# Altium PCB DIOT_SMA16.PcbDoc (part 6 of 6) (continued)
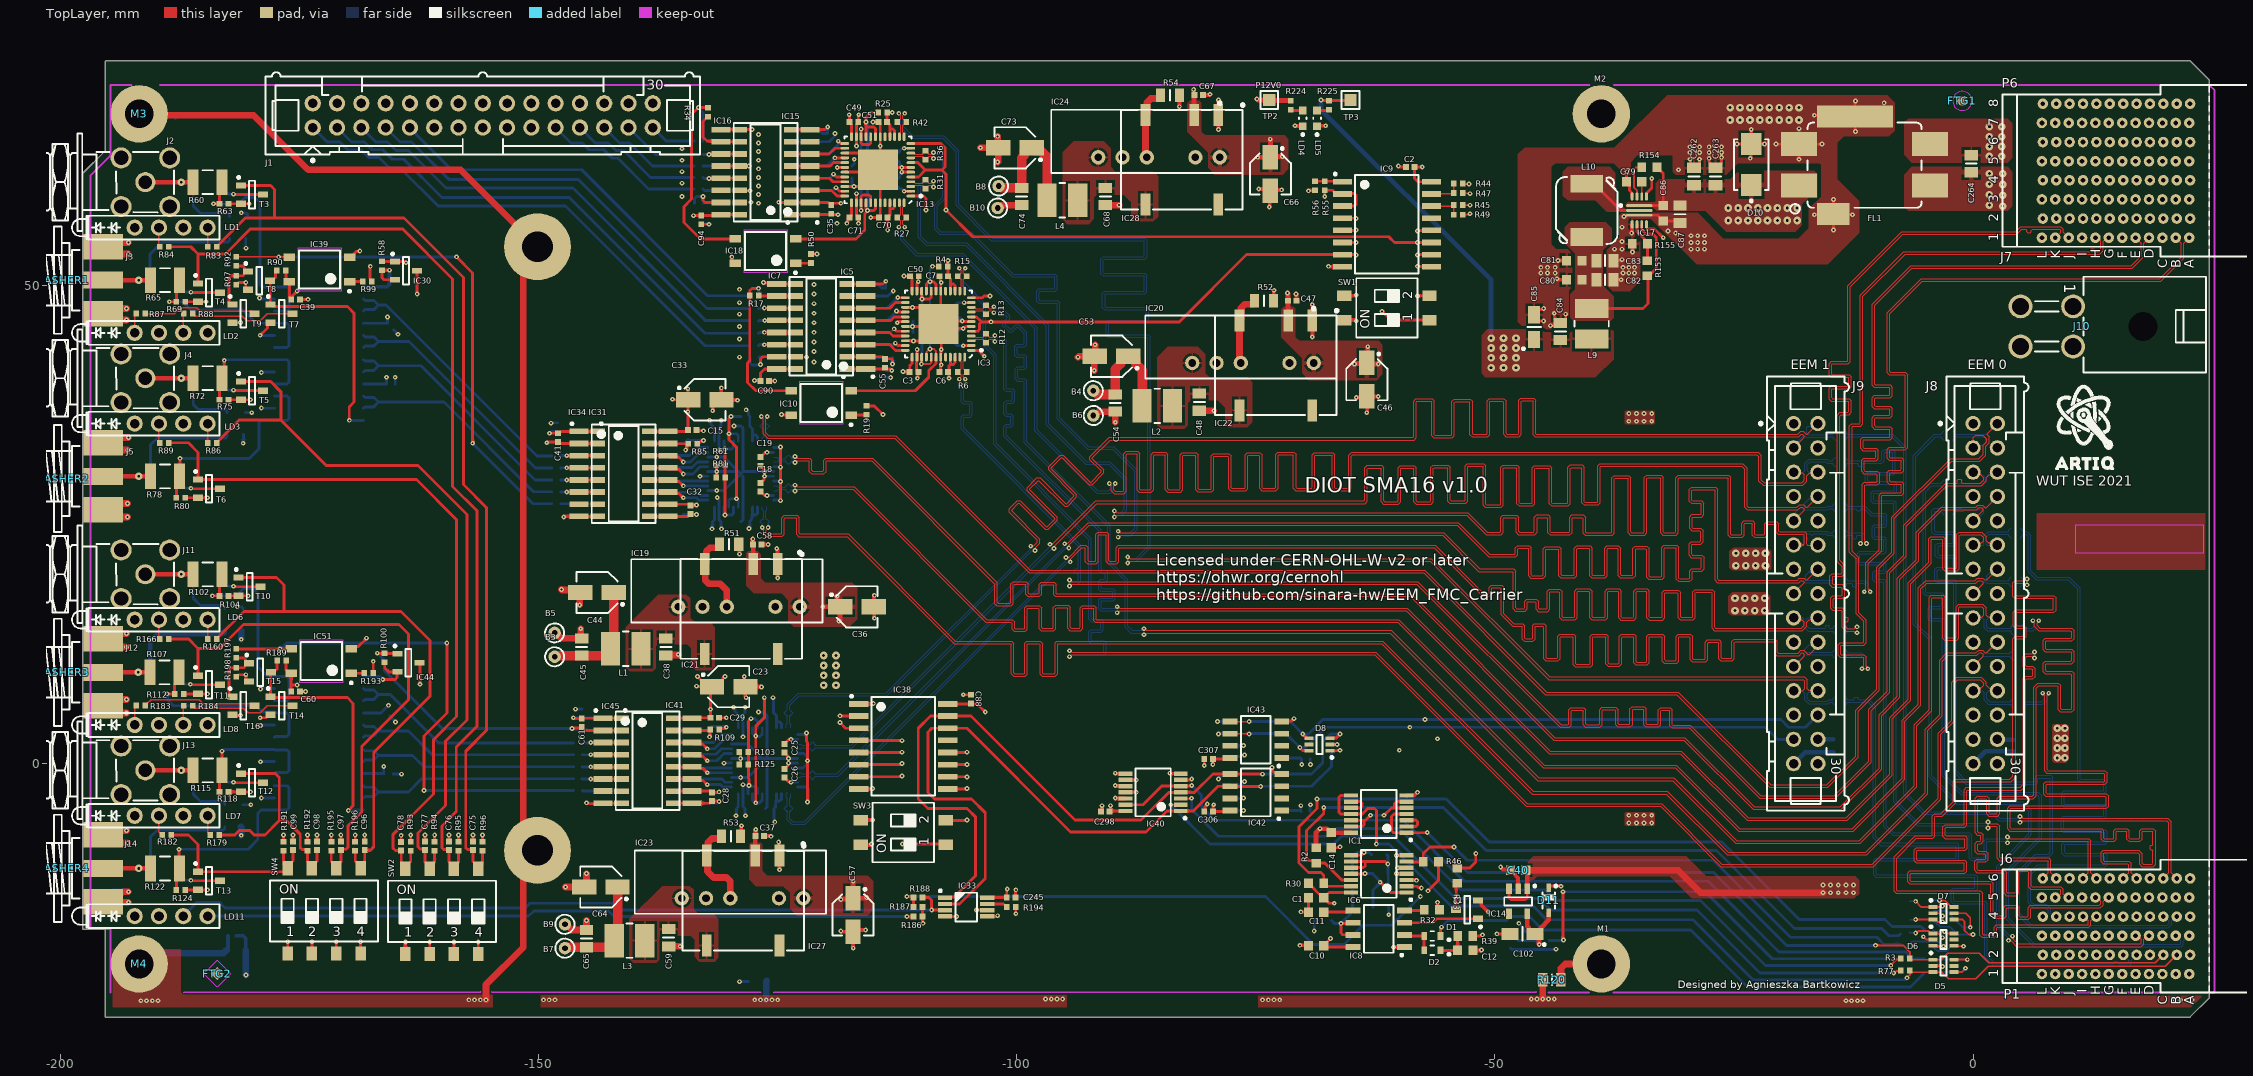
[diagram p0: TopLayer view]
## Nets (pads, with @x,y where several pads share a name; then routed paths per layer and width w, separated by ;. In a path a pad name is that pad's centre, name@x,y a point inside that pad or via, vN(x,y) a via of type N, cw(c..) or ccw(c..) an arc to the next point about the centre after c; other vN are vias at no path point) (continued)
SHARED_BUS_0: R137.1
SHARED_BUS_1: R139.1
SHARED_BUS_2: R135.1
SHARED_BUS_3: R132.1
SHARED_BUS_4: R134.1
STRIP1: C212.1 M1.1 M2.1 M3.1 M4.1 pad.MHx pad.MHx1 R120.2 R126.1 | length 431.7
  TopLayer w0.7: M3.1@-191.773,67.95 -191.623,67.8 -179.8,67.8 -174.1,62.1 -158.173,62.1 pad.MHx1@-150.123,54.05 -151.6,52.573 -151.6,-7.598 pad.MHx@-150.123,-9.075 -151.6,-10.552 -151.6,-19.2 -155.5,-23.1 v1(-155.5,-24.7) ; R120.2@-43.1,-22.6 -43.1,-21.4 -42.65,-20.95 M1.1@-38.873,-20.95
  MidLayer2 w0.3: v1(-155.5,-24.7) -154.7,-25.5 -39.5,-25.5 -38.9,-24.9 -38.9,-20.977 M1.1@-38.873,-20.95
  MidLayer2 w0.7: M3.1@-191.773,67.95 -191.773,71.327 -191.3,71.8 -39.3,71.8 -38.873,71.373 M2.1@-38.873,67.95
  Bottom Layer w0.3: M3.1@-191.773,67.95 -191.523,67.7 -188.225,67.7 -187.975,67.45
  Bottom Layer w0.4: R126.1@-182.625,-19.5 -182.5,-19.375 C212.1@-182.5,-18
  Bottom Layer w0.7: M4.1@-191.773,-20.95 -190.656,-19.833 -182.958,-19.833 R126.1@-182.625,-19.5
  other v1: -191.6,-24.8 -191,-24.8 -190.4,-24.8 -189.8,-24.8 -157.3,-24.7 -156.7,-24.7 -156.1,-24.7
STRIP2: R119.1 | length 2
  Bottom Layer w0.7: v1(-126.2,-24.7) -126.2,-22.75 R119.1@-126.15,-22.7
  other v1: -149.5,-24.7 -148.9,-24.7 -148.3,-24.7 -127.4,-24.7 -126.8,-24.7 -125.6,-24.7 -125,-24.7 -97,-24.6 -96.4,-24.6 -95.8,-24.6 -95.2,-24.6
STRIP3: R120.1 | length 2
  TopLayer w0.7: v1(-45,-24.6) R120.1@-45,-22.6
  other v1: -13.3,-24.8 -12.7,-24.8 -12.1,-24.8 -11.5,-24.8 -74.3,-24.7 -73.7,-24.7 -73.1,-24.7 -72.5,-24.7 21.1,-24.7 21.7,-24.7 22.3,-24.7 22.9,-24.7 -46.2,-24.6 -45.6,-24.6 -44.4,-24.6 -43.8,-24.6
Switch_I2C.SCL: IC40.2 R77.2 | length 85.5
  TopLayer w0.15: v1(-83.9,-4.3) IC40.2@-82.85,-4.3
  TopLayer w0.2: v1(-8.3,-21.9) -8.237,-21.9 -8.037,-21.7 -7.59,-21.7 R77.2@-7.54,-21.65
  Bottom Layer w0.3: v1(-83.9,-4.3) -79.8,-8.4 -66.847,-8.4 -66.047,-7.6 -60.6,-7.6 -54.1,-14.1 -45.4,-14.1 -44.2,-15.3 -28.868,-15.3 -22.268,-21.9 v1(-8.3,-21.9)
Switch_I2C.SDA: IC40.3 R3.2 | length 84.2
  TopLayer w0.15: IC40.3@-82.85,-3.65 -81.75,-3.65 v1(-81.718,-3.618)
  TopLayer w0.2: v1(-8.6,-21.1) -7.967,-20.467 -7.607,-20.467 R3.2@-7.54,-20.4
  Bottom Layer w0.3: v1(-81.718,-3.618) -81.7,-3.635 -81.7,-4.8 -78.9,-7.6 -67.3,-7.6 -66.5,-6.8 -60,-6.8 -53.6,-13.2 -44.7,-13.2 -43.6,-14.3 -28.5,-14.3 -21.7,-21.1 v1(-8.6,-21.1)
TERM_IO0: C75.2 R83.1 R96.1 SW2.5 T3.1 | length 103
  TopLayer w0.3: R83.1@-183.683,54.05 -180.683,57.05 -177.623,57.05 ; T3.1@-181.123,60.45 -178.023,60.45 -177.623,60.05 -177.623,57.05 ; R96.1@-155.873,-9.09 -155.873,-10.224 -155.913,-10.264 -155.913,-10.6 SW2.5@-156.313,-11 -156.313,-10.8 -156.873,-10.24 C75.2@-156.873,-9.05 -156.932,-8.991 -157.447,-8.991 -157.623,-8.815 -157.623,1.3 -155.439,3.484 -155.439,26.756 -157.875,29.192 -157.875,50.845 -164.08,57.05 -177.623,57.05
TERM_IO1: C76.2 R84.1 R95.1 SW2.6 T4.1 | length 103.3
  TopLayer w0.3: R84.1@-188.683,54.05 -186.373,54.05 -185.623,53.3 ; T4.1@-185.623,50.2 -185.623,53.3 ; SW2.6@-158.853,-11 SW2.6@-158.853,-10.8 ; R95.1@-158.373,-9.09 -158.373,-10.32 SW2.6@-158.853,-10.8 ; -185.623,53.3 -182.748,53.3 -180.123,55.925 -164.248,55.925 -158.998,50.675 -158.998,28.993 -156.457,26.452 -156.457,3.905 -158.621,1.741 -158.621,-5.015 -160.123,-6.517 -160.123,-8.815 -159.947,-8.991 -159.432,-8.991 C76.2@-159.373,-9.05 -159.373,-10.28 SW2.6@-158.853,-10.8
TERM_IO2: C77.2 R86.1 R94.1 SW2.7 T5.1 | length 80.7
  TopLayer w0.3: R86.1@-183.683,33.55 -181.308,35.925 -176.961,35.925 ; T5.1@-181.123,39.95 -178.023,39.95 -176.961,38.888 -176.961,35.925 ; SW2.7@-161.393,-11 SW2.7@-161.393,-10.8 ; R94.1@-160.873,-9.09 -160.873,-10.28 SW2.7@-161.393,-10.8 ; -176.961,35.925 -172.211,31.175 -162.623,31.175 -157.498,26.05 -157.498,4.575 -159.738,2.335 -159.738,-4.383 -162.623,-7.268 -162.623,-8.7 -162.401,-8.922 -162.001,-8.922 C77.2@-161.873,-9.05 -161.873,-10.32 SW2.7@-161.393,-10.8
TERM_IO3: C78.2 R89.1 R93.1 SW2.8 T6.1 | length 77.4
  TopLayer w0.3: R89.1@-188.683,33.55 -186.623,33.55 -185.623,32.55 T6.1@-185.623,29.7 -162.773,29.7 -158.578,25.505 -158.578,4.923 -160.997,2.504 -160.997,-3.187 -165.248,-7.438 -165.248,-8.825 -164.973,-9.1 C78.2@-164.373,-9.1 -164.373,-10.224 -164.333,-10.264 -164.333,-10.6 SW2.8@-163.933,-11 -163.933,-10.8 -163.373,-10.24 R93.1@-163.373,-9.09
TERM_IO4: C96.2 R160.1 R196.1 SW4.5 T10.1 | length 62.1
  TopLayer w0.3: R160.1@-183.683,13.05 -180.808,15.925 -176.623,15.925 ; T10.1@-181.373,19.45 -177.398,19.45 -176.623,18.675 -176.623,15.925 ; R196.1@-169.343,-8.93 -169.343,-8.95 -169.203,-9.09 R196.1@-169.183,-9.09 -169.183,-10.19 -168.623,-10.75 SW4.5@-168.623,-10.95 -168.223,-10.55 -168.223,-10.214 -168.183,-10.174 C96.2@-168.183,-9.05 -167.598,-9.05 -167.248,-8.7 -167.248,1.167 -161.366,7.049 -161.366,12.882 -164.409,15.925 -176.623,15.925
TERM_IO5: C97.2 R166.1 R195.1 SW4.6 T11.1 | length 59.7
  TopLayer w0.3: R166.1@-188.683,13.05 -186.623,13.05 -185.623,12.05 ; T11.1@-185.623,9.2 -185.623,12.05 ; R195.1@-171.823,-8.95 R195.1@-171.683,-9.09 -171.683,-10.23 SW4.6@-171.163,-10.75 ; SW4.6@-171.163,-10.95 SW4.6@-171.163,-10.75 ; -185.623,12.05 -183.373,12.05 -180.873,14.55 -164.616,14.55 -163.614,13.548 -163.614,6.673 -168.498,1.789 -168.498,-5.075 -169.954,-6.531 -169.954,-8.776 -170.129,-8.952 -170.585,-8.952 C97.2@-170.683,-9.05 -170.683,-10.27 SW4.6@-171.163,-10.75
TERM_IO6: C98.2 R179.1 R192.1 SW4.7 T12.1 | length 25
  TopLayer w0.3: R179.1@-183.403,-7.45 -181.785,-7.45 -181.315,-6.98 -180.204,-6.98 -179.734,-7.45 -178.623,-7.45 -177.123,-5.95 ; T12.1@-181.123,-1.05 -177.523,-1.05 -177.123,-1.45 -177.123,-5.95 ; SW4.7@-173.703,-10.95 SW4.7@-173.703,-10.75 ; C98.2@-173.183,-9.05 -173.183,-10.23 SW4.7@-173.703,-10.75 ; -177.123,-5.95 -176.373,-5.95 -174.933,-7.39 -174.933,-8.792 -174.757,-8.968 -174.305,-8.968 R192.1@-174.183,-9.09 -174.183,-10.27 SW4.7@-173.703,-10.75
TERM_IO7: C99.2 R182.1 R191.1 SW4.8 T13.1 | length 19.8
  TopLayer w0.3: R182.1@-188.433,-7.45 -186.623,-7.45 -185.623,-8.45 T13.1@-185.623,-11.3 -176.593,-11.3 SW4.8@-176.243,-10.95 ; R191.1@-176.683,-9.09 -176.683,-10.174 -176.643,-10.214 -176.643,-10.55 SW4.8@-176.243,-10.95 ; C99.2@-175.683,-9.05 -175.683,-10.19 -176.243,-10.75 SW4.8@-176.243,-10.95
pads on no net: D5.5 D6.5 D8.5 FTG1.FTG2 FTG2.1 FTG3.1 FTG4.1 IC2.7 IC3.17 IC3.44 IC4.7 IC5.7 IC5.15 IC7.7 IC9.13 IC11.7 IC12.7 IC13.17 IC13.44 IC14.4 IC15.7 IC15.15 IC16.7 IC16.14 IC19.5 IC20.5 IC21.14 IC22.14 IC23.5 IC24.5 IC25.7 IC26.7 IC27.14 IC28.14 IC31.7 IC32.17 IC32.44 IC34.7 IC36.7 IC37.7 IC38.13 IC41.7 IC42.1 IC42.2 IC42.3 IC42.7 IC43.1 IC43.2 IC43.3 IC43.7 IC45.7 IC46.17 IC46.44 IC47.7 IC49.7 J6.B1 J6.L2 J7.A3 J7.A5 J7.A7 J7.A8 J7.B2 J7.B3 J7.B4 J7.B5 J7.B6 J7.B7 J7.B8 J7.C2 J7.C4 J7.C6 J7.C8 J7.D3 J7.D5 J7.D7 J7.D8 J7.E2 J7.E3 J7.E4 J7.E5 J7.E6 J7.E7 J7.E8 J7.F2 J7.F4 J7.F6 J7.F8 J7.G3 J7.G5 J7.G7 J7.H2 J7.H3 J7.H4 J7.H5 J7.H6 J7.H7 J7.H8 J7.I2 J7.I4 J7.I6 J7.I8 J7.J3 J7.J5 J7.J7 J7.K2 J7.K3 J7.K4 J7.K5 J7.K6 J7.K7 J7.K8 J7.L2 J7.L4 J7.L6 J7.L8 J10.5 LD11.1 LD11.2

## Polygon pours and split planes (outlines as drawn)
P3V3_MP on TopLayer "P3V3_MP_L01_P322" (solid, remove dead copper, pour order 322): -36.3,-5.1 -36.4,-5.2 -36.4,-6.4 -36.3,-6.5 -33.4,-6.5 -33.3,-6.4 -33.3,-5.2 -33.4,-5.1
P3V3_MP on TopLayer "P3V3_MP_L01_P320" (solid, remove dead copper, pour order 320): -36.3,36.9 -36.4,36.8 -36.4,35.6 -36.3,35.5 -33.4,35.5 -33.3,35.6 -33.3,36.8 -33.4,36.9
GND on TopLayer "TopLayer-GND" (solid, remove dead copper, pour order 318): 62 vertices, not listed, extent -47.6,45.4 -8.2,69.9
P12V0 on TopLayer "TopLayer-P12V0" (solid, remove dead copper, pour order 316): 22 vertices, not listed, extent -36.3,55.6 -16.3,62
P12V0 on TopLayer "P12V0_L01_P313" (solid, remove dead copper, pour order 313): 18 vertices, not listed, extent -128,-15.9 -115,-8.3
P12V0 on TopLayer "P12V0_L01_P312" (solid, remove dead copper, pour order 312): 18 vertices, not listed, extent -128.3,14.3 -116.7,22.2
P12V0 on TopLayer "P12V0_L01_P311" (solid, remove dead copper, pour order 311): -62.37,40.1 -69.47,40.1 -70.17,40.8 -70.17,42.4 -72.37,44.6 -72.37,47.5 -72.07,47.8 -71.07,47.8 -70.87,47.6 -70.87,44.6 -70.47,44.2 -62.17,44.2 -61.77,43.8 -61.77,40.7
P12V0 on TopLayer "P12V0_L01_P310" (solid, remove dead copper, pour order 310): -72.2,61.6 -79.3,61.6 -80,62.3 -80,63.9 -82.2,66.1 -82.2,69 -81.9,69.3 -80.9,69.3 -80.7,69.1 -80.7,66.1 -80.3,65.7 -72,65.7 -71.6,65.3 -71.6,62.2
P3V3 on TopLayer "P3V3_L01_P283" (solid, remove dead copper, pour order 283): -38,45.6 -41.6,45.6 -42.1,45.1 -44.8,45.1 -45.1,45.4 -50.8,45.4 -51.4,44.8 -51.4,40.8 -51,40.4 -39.5,40.4 -37.6,42.3 -37.6,45.2
P12V0_DIOT on TopLayer "P12V0_DIOT_L01_P266" (solid, remove dead copper, pour order 266): 8.5,0.1 9.7,0.1 10,0.4 10,3.9 9.8,4.1 8.4,4.1 8.3,4 8.3,0.3
NetC38_2 on TopLayer "NETC38_2_L01_P264" (solid, remove dead copper, pour order 264): 21 vertices, not listed, extent -140.867,9.675 -131.567,17.675
NetC59_2 on TopLayer "NETC59_2_L01_P263" (solid, remove dead copper, pour order 263): 21 vertices, not listed, extent -140.5,-20.8 -131.2,-12.8
3V3 on TopLayer "3V3_L01_P262" (solid, remove dead copper, pour order 262): 17 vertices, not listed, extent -42.7,46.3 -37.6,56.6
NetC68_2 on TopLayer "NETC68_2_L01_P260" (solid, remove dead copper, pour order 260): 21 vertices, not listed, extent -95.2,56.4 -85.23,65.1
NetC48_2 on TopLayer "NETC48_2_L01_P259" (solid, remove dead copper, pour order 259): 21 vertices, not listed, extent -85.3,35 -75.4,43.6
NetIC17_2 on TopLayer "NETIC17_2_L01_P258" (solid, remove dead copper, pour order 258): -42.4,62.4 -38,62.4 -37.4,61.8 -37.4,59 -36.3,57.9 -36.5,57.7 -38.3,57.7 -39.5,58.9 -42.4,58.9 -42.9,59.4 -42.9,61.9
P12V0 on TopLayer "P12V0_L01_P255" (solid, remove dead copper, pour order 255): -25.1,22.6 -25.5,22.2 -25.5,20.5 -25.2,20.2 -21.3,20.2 -21.1,20.4 -21.1,22.2 -21.5,22.6
P12V0 on TopLayer "P12V0_L01_P254" (solid, remove dead copper, pour order 254): -25.2,17.9 -25.6,17.5 -25.6,15.8 -25.3,15.5 -21.4,15.5 -21.2,15.7 -21.2,17.5 -21.6,17.9
NetC264_1 on TopLayer "NETC264_1_L01_P249" (solid, remove dead copper, pour order 249): -6.4,62.85 3.6,62.85 4.1,63.35 4.1,66.95 3.6,67.45 -6.8,67.45 -7.2,67.05 -7.2,63.65
NetC264_2 on TopLayer "NETC264_2_L01_P248" (solid, remove dead copper, pour order 248): -6.4,62.4 3.6,62.4 4.1,61.9 4.1,58.3 3.6,57.8 -6.8,57.8 -7.2,58.2 -7.2,61.6
P12V0_DIOT on TopLayer "P12V0_DIOT_L01_P239" (solid, remove dead copper, pour order 239): 17 vertices, not listed, extent -46.775,-14.1 -11.9,-9.7
no net on TopLayer "NONET_L01_P236" (solid, remove dead copper, pour order 236): 6.658,26.2 6.658,20.275 24.433,20.275 24.433,26.2
STRIP1 on TopLayer "esd1" (solid, pour order 171): -194.525,-19.425 -187.4,-19.425 -187.4,-23.95 -154.775,-23.95 -154.775,-25.45 -194.525,-25.45
STRIP2 on TopLayer "esd1" (solid, pour order 173): -111.842,-25.5 -94.775,-25.5 -94.775,-24.231 -149.775,-24.231 -149.775,-25.5
STRIP3 on TopLayer "STRIP3_L01_P172" (solid, pour order 172): 22.758,-25.5 22.775,-25.5 24.015,-24.26 -74.775,-24.26 -74.775,-25.5
no net on Bottom Layer "BALANCING" (solid, pour order 333): 24 vertices, not listed, extent -179.3,-23.3 -43.2,-15
no net on Bottom Layer "BALANCING" (solid, pour order 332): 25 vertices, not listed, extent -138.7,6.5 -97.9,39.3
no net on Bottom Layer "NONET_L-01_P-001" (solid, pour order 331): 17 vertices, not listed, extent -65.1,-13.7 -17.6,2.8
no net on Bottom Layer "BALANCING" (solid, pour order 330): 88 vertices, not listed, extent -146,-14.8 23.2,70.9
P3V3_MP on Bottom Layer "P3V3_MP_L06_P321" (solid, remove dead copper, pour order 321): -36.3,-5.1 -36.4,-5.2 -36.4,-6.4 -36.3,-6.5 -33.4,-6.5 -33.3,-6.4 -33.3,-5.2 -33.4,-5.1
P3V3_MP on Bottom Layer "P3V3_MP_L06_P319" (solid, remove dead copper, pour order 319): -36.3,36.9 -36.4,36.8 -36.4,35.6 -36.3,35.5 -33.4,35.5 -33.3,35.6 -33.3,36.8 -33.4,36.9
P3V3 on Bottom Layer "P3V3_L06_P300" (solid, remove dead copper, pour order 300): -51.2,44.6 -51.2,41.2 -50.7,40.7 -47.6,40.7 -47.1,41.2 -47.1,44.6 -47.6,45.1 -50.7,45.1
P12V0 on Bottom Layer "P12V0_L06_P282" (solid, remove dead copper, pour order 282): -118.5,11.5 -118.5,8 -118.7,7.8 -120.4,7.8 -120.6,8 -120.6,11.5 -120.4,11.7 -118.7,11.7
P12V0 on Bottom Layer "P12V0_L06_P281" (solid, remove dead copper, pour order 281): -18.2,56.4 -21.7,56.4 -21.9,56.6 -21.9,58.3 -21.7,58.5 -18.2,58.5 -18,58.3 -18,56.6
P12V0 on Bottom Layer "P12V0_L06_P280" (solid, remove dead copper, pour order 280): -22.3,56.4 -25.8,56.4 -26,56.6 -26,58.3 -25.8,58.5 -22.3,58.5 -22.1,58.3 -22.1,56.6
NetC264_1 on Bottom Layer "NETC264_1_L06_P279" (solid, remove dead copper, pour order 279): 1.3,63.3 1.3,66.8 1.5,67 3.2,67 3.4,66.8 3.4,63.3 3.2,63.1 1.5,63.1
NetC264_2 on Bottom Layer "NETC264_2_L06_P278" (solid, remove dead copper, pour order 278): 1.3,58.4 1.3,61.9 1.5,62.1 3.2,62.1 3.4,61.9 3.4,58.4 3.2,58.2 1.5,58.2
P12V0 on Bottom Layer "P12V0_L06_P277" (solid, remove dead copper, pour order 277): -25,22.4 -21.5,22.4 -21.3,22.2 -21.3,20.5 -21.5,20.3 -25,20.3 -25.2,20.5 -25.2,22.2
P12V0 on Bottom Layer "P12V0_L06_P276" (solid, remove dead copper, pour order 276): -25.1,17.7 -21.6,17.7 -21.4,17.5 -21.4,15.8 -21.6,15.6 -25.1,15.6 -25.3,15.8 -25.3,17.5
P12V0_DIOT on Bottom Layer "P12V0_DIOT_L06_P238" (solid, remove dead copper, pour order 238): 4.8,0.4 5.1,0.1 9.8,0.1 10.1,0.4 10.1,3.8 9.4,4.5 5,4.5 4.8,4.3
P12V0_DIOT on Bottom Layer "P12V0_DIOT_L06_P237" (solid, remove dead copper, pour order 237): -14,-0.3 -16.7,-3 -16.7,-13.6 -16.2,-14.1 -12.4,-14.1 -11.9,-13.6 -11.9,3.4 -12.3,3.8 -13.6,3.8 -14,3.4
no net on Bottom Layer "NONET_L06_P234" (solid, remove dead copper, pour order 234): 6.658,26.2 6.658,20.275 24.433,20.275 24.433,26.2
STRIP3 on Bottom Layer "STRIP3_L06_P175" (solid, pour order 175): 22.758,-25.5 22.775,-25.5 24.015,-24.26 -74.775,-24.26 -74.775,-25.5
STRIP2 on Bottom Layer "esd1" (solid, pour order 176): -111.842,-25.5 -94.775,-25.5 -94.775,-24.231 -150.4,-24.231 -150.4,-25.5
STRIP1 on Bottom Layer "esd1" (solid, pour order 147): -194.525,-20.01 -187.4,-20.01 -187.4,-23.95 -154.775,-23.95 -154.775,-25.45 -194.525,-25.45
STRIP1 on Layer 1 "NONET_L-01_P-001" (solid, remove dead copper, pour order 340): -155,-24.2 -154.8,-24.4 -154.8,-25.2 -155,-25.4 -193.9,-25.4 -194.1,-25.2 -194.1,-24.5 -193.8,-24.2 -155.2,-24.2
STRIP2 on Layer 1 "NONET_L-01_P-001" (solid, remove dead copper, pour order 339): -94.7,-24.2 -94.6,-24.3 -94.6,-25.2 -94.8,-25.4 -149.9,-25.4 -150.2,-25.1 -150.2,-24.4 -150,-24.2
STRIP3 on Layer 1 "NONET_L-01_P-001" (solid, remove dead copper, pour order 338): -74.8,-24.3 -74.8,-25.4 22.9,-25.4 23.9,-24.4 23.9,-24.3
GND_ISO3 on Layer 1 "NONET_L-01_P-001" (solid, remove dead copper, pour order 337): 31 vertices, not listed, extent -187.7,41.1 -120.7,70.6
GND_ISO4 on Layer 1 "NONET_L-01_P-001" (solid, remove dead copper, pour order 336): -126.6,69.1 -128,70.5 -156.6,70.5 -157,70.1 -157,68.3 -156.7,68 -154.6,68 -154.5,67.9 -154.5,64.3 -153.5,63.3 -144.3,63.3 -133,52 -127.4,52 -126.6,52.8
GND_ISO2 on Layer 1 "NONET_L-01_P-001" (solid, remove dead copper, pour order 335): 37 vertices, not listed, extent -196.4,-23.6 -138.9,24
no net on Layer 1 "BALANCING" (solid, pour order 334): 67 vertices, not listed, extent -106.1,-23.6 23.5,70.6
P3V3_MP on Layer 1 "Layer 1-P3V3_MP" (solid, remove dead copper, pour order 308): -36.2,-6.7 -32.8,-6.7 -32.4,-6.3 -32.4,-3.8 -34.5,-1.7 -34.5,33.6 -32.9,35.2 -32.9,37.3 -33.4,37.8 -35.7,37.8 -36.6,36.9 -36.6,-6.3
P3V3 on Layer 1 "Layer 1-P3V3" (solid, remove dead copper, pour order 298): 47 vertices, not listed, extent -139.9,-22.8 -45.5,70.3
GND_ISO1 on Layer 1 "GND_ISO1_L04_P275" (solid, remove dead copper, pour order 275): 39 vertices, not listed, extent -196.4,-8.2 -128.7,63.34
P12V0 on Layer 1 "P12V0_L04_P251" (solid, remove dead copper, pour order 251): 19 vertices, not listed, extent -128.4,-16.3 -114.8,23.7
P12V0 on Layer 1 "P12V0_L04_P250" (solid, remove dead copper, pour order 250): -72.7,40.1 -71.4,38.8 -61.8,38.8 -60.5,40.1 -60.5,42.7 -70.8,53 -70.8,70.1 -71.6,70.9 -81.9,70.9 -83.1,69.7 -83.1,55.1 -72.7,44.7
NetC264_1 on Layer 1 "NETC264_1_L04_P245" (solid, remove dead copper, pour order 245): 12.4,41.2 -2.9,41.2 -7.2,45.5 -7.2,67.1 -6,68.3 3.3,68.3 4.3,67.3 4.3,54.5 5.9,52.9 11.8,52.9 13.1,51.6 13.1,41.9
P12V0 on Layer 1 "P12V0_L04_P243" (solid, remove dead copper, pour order 243): 3.5,3.9 3.9,3.5 3.9,-0.7 3.3,-1.3 -23.2,-1.3 -26.2,1.7 -26.2,57.6 -25.9,57.9 -18.3,57.9 -17.9,57.5 -17.9,39.7 -20.2,37.4 -20.2,4.4 -19.7,3.9
P12V0_DIOT on Layer 1 "SignalLayer1-P12V0_DIOT" (solid, remove dead copper, pour order 242): 19 vertices, not listed, extent -16.7,-23.7 23.7,-11.8
no net on MidLayer2 "BALANCING" (solid, pour order 341): -194.4,72.8 -194.4,63.5 -197,60.9 -197,-15.9 -196.6,-16.3 -194.7,-16.3 -194.1,-16.9 -194.1,-25.1 -193.6,-25.6 22,-25.6 23.8,-23.8 23.8,69.9 21.4,72.3
P12V0_DIOT on MidLayer2 "P12V0_DIOT_L03_P244" (solid, remove dead copper, pour order 244): 10.1,3.8 9.4,4.5 7.8,4.5 7.3,4 7.3,-5.6 1.8,-11.1 -16.3,-11.1 -16.7,-11.5 -16.7,-13.6 -16.2,-14.1 3.3,-14.1 10.1,-7.3
NetC264_2 on MidLayer2 "NETC264_2_L03_P246" (solid, remove dead copper, pour order 246): 12.4,41.2 -2.9,41.2 -7.2,45.5 -7.2,67.1 -6,68.3 3.3,68.3 4.3,67.3 4.3,54.5 5.9,52.9 11.8,52.9 13.1,51.6 13.1,41.9
P12V0 on MidLayer2 "P12V0_L03_P252" (solid, remove dead copper, pour order 252): -81.5,67.3 -83.1,65.7 -83.1,61.6 -82.7,61.2 -63.6,61.2 -60.5,64.3 -45.4,64.3 -37.5,56.4 -16.8,56.4 -16,57.2 -16,61.6 -16.4,62 -37.9,62 -43.2,67.3
P12V0 on MidLayer2 "P12V0_L03_P253" (solid, remove dead copper, pour order 253): -20.6,23.9 -20.2,23.5 -20.2,16.6 -21.3,15.5 -71.4,15.5 -81,5.9 -120.4,5.9 -120.8,6.3 -120.8,11.4 -120.3,11.9 -97.5,11.9 -95.9,10.3 -86.2,10.3 -72.6,23.9 -22.2,23.9
P5V0_ISO3 on MidLayer2 "P5V0_ISO3_L03_P267" (solid, remove dead copper, pour order 267): 23 vertices, not listed, extent -162.2,35.6 -89.7,70.4
P5V0_ISO4 on MidLayer2 "P5V0_ISO4_L03_P268" (solid, remove dead copper, pour order 268): 23 vertices, not listed, extent -154.5,52.2 -100.7,70.3
P5V0_ISO1 on MidLayer2 "MidLayer2-P5V0_ISO1" (solid, remove dead copper, pour order 272): 26 vertices, not listed, extent -191,9.9 -146.6,58.55
P3V3 on MidLayer2 "P3V3_L03_P299" (solid, remove dead copper, pour order 299): 65 vertices, not listed, extent -171.8,-10.3 -47.1,68.9
P3V3_DIOT on MidLayer2 "P3V3_DIOT_L03_P303" (solid, remove dead copper, pour order 303): -70.9,-13.3 -70.9,-19.2 -70.1,-20 -45.3,-20 -44.3,-19 -44.3,-17.9 -49.7,-12.5 -64.8,-12.5 -65.5,-11.8 -65.5,-7.2 -66.4,-6.3 -69.4,-6.3 -70.9,-7.8
P3V3_MP on MidLayer2 "P3V3_MP_L03_P304" (solid, remove dead copper, pour order 304): 48 vertices, not listed, extent -119.8,-17.6 4,5.7
P3V3_MP on MidLayer2 "P3V3_MP_L03_P306" (solid, remove dead copper, pour order 306): 22 vertices, not listed, extent -68.4,35.1 -31.6,63.4
P5V0_ISO2 on MidLayer2 "MidLayer2-P5V0_ISO2" (solid, remove dead copper, pour order 328): 45 vertices, not listed, extent -191,-20.9 -140.3,17.2
GND_ISO2 on MidLayer1 "MidLayer1-GND_ISO2" (solid, remove dead copper, pour order 326): 29 vertices, not listed, extent -197.673,-20.8 -128.7,24.47
GND_ISO1 on MidLayer1 "MidLayer1-GND_ISO1" (solid, remove dead copper, pour order 324): 37 vertices, not listed, extent -197.673,-11.5 -128.5,64.9
GND on MidLayer1 "GND_L02_P302" (solid, remove dead copper, pour order 302): 80 vertices, not listed, extent -195.343,-24.1 24.696,70.9
GND_ISO4 on MidLayer1 "MidLayer1-GND_ISO4" (solid, remove dead copper, pour order 295): 26 vertices, not listed, extent -157.1,51.6 -84.4,71.4
GND_ISO3 on MidLayer1 "GND_ISO3_L02_P290" (solid, remove dead copper, pour order 290): 17 vertices, not listed, extent -129.6,35.4 -74.2,51.3
GND on Layer 2 "GND_L05_P301" (solid, remove dead copper, pour order 301): 42 vertices, not listed, extent -141.6,-24.2 24.696,73.5
GND_ISO4 on Layer 2 "Layer 2-GND_ISO4" (solid, remove dead copper, pour order 294): 26 vertices, not listed, extent -157.1,51.6 -84.4,71.4
GND_ISO3 on Layer 2 "GND_ISO3_L05_P291" (solid, remove dead copper, pour order 291): 29 vertices, not listed, extent -176.1,39.4 -120.7,71.5
GND_ISO1 on Layer 2 "GND_ISO1_L05_P289" (solid, remove dead copper, pour order 289): 26 vertices, not listed, extent -197.673,8 -128.8,64.075
GND_ISO2 on Layer 2 "GND_ISO2_L05_P285" (solid, remove dead copper, pour order 285): 18 vertices, not listed, extent -197.673,-20.8 -128.7,24.47

## Keep-outs
Keep-Out Layer:
  drawing of 8338 lines, arcs and shapes, not listed

## Silkscreen, mask and mechanical layers (free items; w line width, h text height)
TopOverlay:
  drawing of 1237 lines, arcs and shapes, not listed
  text "P12V0" at -75,70.6 h0.6
  text "EEM 1" at -19.06,41.223 h1
  text "EEM 0" at -0.56,41.223 h1
  text "WUT ISE 2021" at 6.627,29.05 h1.02
  text "DIOT SMA16 v1.0" at -69.9,28.3 h1.6
  text "Licensed under CERN-OHL-W v2 or later / https://ohwr.org/cernohl / https://github.com/sinara-hw/EEM_FMC_Carrier" at -85.4,17.1 h1.2
  text "Designed by Agnieszka Bartkowicz" at -30.9,-23.5 h0.8
Board Layer Stack Bottom Overlay:
  drawing of 1234 lines, arcs and shapes, not listed
  text "WUT ISE 2021" at 17.877,29.05 h1.02
  text "DIOT SMA16 v1.0" at -52.4,28.3 h1.5
TopSolder:
  rectangle: -194.152,-25.897 -191.975,-24.1
  rectangle: -191.975,-25.897 -189.798,-24.125
  rectangle: -190.325,-25.897 24.644,-24.1
  region: 10.694,25.255 10.694,21.755 24.657,21.755 24.657,25.255
Board Layer Stack Bottom Solder:
  rectangle: -194.152,-25.897 -191.975,-24.1
  rectangle: -191.975,-25.897 -189.798,-24.125
  rectangle: -190.406,-25.897 24.644,-24.1
  region: 10.694,25.255 10.694,21.755 24.657,21.755 24.657,25.255
Mechanical 1:
  drawing of 463 lines, arcs and shapes, not listed
  text "Layer" at -139.893,111.328 h0.76
  text "Name" at -134.434,111.328 h0.76
  text "Material" at -108.787,111.328 h0.76
  text "Thickness" at -97.614,111.328 h0.76
  text "Constant" at -89.107,111.328 h0.76
  text "Board Layer Stack" at -81.616,111.328 h0.76
  text "TopOverlay" at -134.434,109.804 h0.76
  text "TopSolder" at -134.434,108.28 h0.76
  text "Solder Resist" at -108.787,108.28 h0.76
  text "0,022mm" at -97.614,108.28 h0.76
  text "3.5" at -89.107,108.28 h0.76
  text "1" at -139.893,106.756 h0.76
  text "TopLayer" at -134.434,106.756 h0.76
  text "0,035mm" at -97.614,106.756 h0.76
  text "Dielectric1" at -134.434,105.232 h0.76
  text "FR-4" at -108.787,105.232 h0.76
  text "0,116mm" at -97.614,105.232 h0.76
  text "4.4" at -89.107,105.232 h0.76
  text "2" at -139.893,103.708 h0.76
  text "MidLayer1" at -134.434,103.708 h0.76
  text "0,015mm" at -97.614,103.708 h0.76
  text "Dielectric2" at -134.434,102.184 h0.76
  text "FR-4" at -108.787,102.184 h0.76
  text "0,130mm" at -97.614,102.184 h0.76
  text "4.2" at -89.107,102.184 h0.76
  text "3" at -139.893,100.66 h0.76
  text "MidLayer2" at -134.434,100.66 h0.76
  text "0,015mm" at -97.614,100.66 h0.76
  text "Dielectric 1" at -134.434,99.136 h0.76
  text "PP-016" at -108.787,99.136 h0.76
  text "0,116mm" at -97.614,99.136 h0.76
  text "4.4" at -89.107,99.136 h0.76
  text "Dielectric3" at -134.434,97.612 h0.76
  text "FR-4" at -108.787,97.612 h0.76
  text "0,700mm" at -97.614,97.612 h0.76
  text "4.2" at -89.107,97.612 h0.76
  text "Dielectric 2" at -134.434,96.088 h0.76
  text "PP-016" at -108.787,96.088 h0.76
  text "0,116mm" at -97.614,96.088 h0.76
  text "4.4" at -89.107,96.088 h0.76
  text "4" at -139.893,94.564 h0.76
  text "Layer 1" at -134.434,94.564 h0.76
  text "0,015mm" at -97.614,94.564 h0.76
  text "Dielectric 3" at -134.434,93.04 h0.76
  text "FR-4" at -108.787,93.04 h0.76
  text "0,130mm" at -97.614,93.04 h0.76
  text "4.2" at -89.107,93.04 h0.76
  text "5" at -139.893,91.516 h0.76
  text "Layer 2" at -134.434,91.516 h0.76
  text "0,015mm" at -97.614,91.516 h0.76
  text "Dielectric 4" at -134.434,89.992 h0.76
  text "FR-4" at -108.787,89.992 h0.76
  text "0,116mm" at -97.614,89.992 h0.76
  text "4.4" at -89.107,89.992 h0.76
  text "6" at -139.893,88.468 h0.76
  text "Bottom Layer" at -134.434,88.468 h0.76
  text "0,035mm" at -97.614,88.468 h0.76
  text "Board Layer Stack Bottom Solder" at -134.434,86.944 h0.76
  text "Solder Resist" at -108.787,86.944 h0.76
  text "0,022mm" at -97.614,86.944 h0.76
  text "3.5" at -89.107,86.944 h0.76
  text "Board Layer Stack Bottom Overlay" at -134.434,85.42 h0.76
Mechanical 2:
  lines w0.1: -197.887,-40.738 -197.887,81.944
Mechanical 13:
  lines w0.01: -198.125,-27.284 -198.125,54.424

## Text inside footprints (layer, text, board x,y; h text height)
IC19: Mechanical 14 "1" at -123.45,18.43 h1.5 r270; Mechanical 14 "6" at -136.183,18.557 h1.5 r270
IC20: Mechanical 14 "1" at -69.7,43.93 h1.5 r270; Mechanical 14 "6" at -82.433,44.057 h1.5 r270
IC23: Mechanical 14 "6" at -135.816,-11.918 h1.5 r270; Mechanical 14 "1" at -123.083,-12.045 h1.5 r270
IC24: Mechanical 14 "1" at -79.53,65.43 h1.5 r270; Mechanical 14 "6" at -92.263,65.557 h1.5 r270
J1: TopOverlay "30" at -138.698,70.447 h1.02; Mechanical 14 "30" at -138.698,70.447 h1.02
J6: TopOverlay "6" at 2.646,-12.35 h1 r90; TopOverlay "5" at 2.646,-14.35 h1 r90; TopOverlay "4" at 2.646,-16.35 h1 r90; TopOverlay "3" at 2.646,-18.35 h1 r90; TopOverlay "2" at 2.646,-20.35 h1 r90; TopOverlay "1" at 2.646,-22.35 h1 r90; TopOverlay "L" at 7.696,-24.2 h1 r90; TopOverlay "K" at 9.096,-24.2 h1 r90; TopOverlay "J" at 10.496,-24.2 h1 r90; TopOverlay "I" at 11.896,-23.95 h1 r90; TopOverlay "H" at 13.296,-24.2 h1 r90; TopOverlay "G" at 14.696,-24.2 h1 r90; TopOverlay "F" at 16.096,-24.2 h1 r90; TopOverlay "E" at 17.496,-24.2 h1 r90; TopOverlay "D" at 18.896,-24.2 h1 r90; TopOverlay "C" at 20.296,-25.2 h1 r90; TopOverlay "B" at 21.696,-25.2 h1 r90; TopOverlay "A" at 23.096,-25.2 h1 r90; Drill Drawing "Diam. 0.5mm +/-0.05" at 23.346,-8 h1 r180; Drill Drawing "PRESS-FIT TECHNOLOGY" at 23.346,-9.5 h1 r180; Mechanical 14 "6" at 2.646,-12.35 h1 r90; Mechanical 14 "5" at 2.646,-14.35 h1 r90; Mechanical 14 "4" at 2.646,-16.35 h1 r90; Mechanical 14 "3" at 2.646,-18.35 h1 r90; Mechanical 14 "2" at 2.646,-20.35 h1 r90; Mechanical 14 "1" at 2.646,-22.35 h1 r90; Mechanical 14 "L" at 7.696,-24.2 h1 r90; Mechanical 14 "K" at 9.096,-24.2 h1 r90; Mechanical 14 "J" at 10.496,-24.2 h1 r90; Mechanical 14 "I" at 11.896,-23.95 h1 r90; Mechanical 14 "H" at 13.296,-24.2 h1 r90; Mechanical 14 "G" at 14.696,-24.2 h1 r90; Mechanical 14 "F" at 16.096,-24.2 h1 r90; Mechanical 14 "E" at 17.496,-24.2 h1 r90; Mechanical 14 "D" at 18.896,-24.2 h1 r90; Mechanical 14 "C" at 20.296,-25.2 h1 r90; Mechanical 14 "B" at 21.696,-25.2 h1 r90; Mechanical 14 "A" at 23.096,-25.2 h1 r90; Mechanical 8 "Edge of Daugher Card" at 25.446,-20.225 h0.5 r90; Mechanical 8 "Top Surface of Mother Board" at 36.946,-21.375 h0.5 r90
J7: TopOverlay "7" at 2.646,66.65 h1 r90; TopOverlay "8" at 2.646,68.65 h1 r90; TopOverlay "6" at 2.646,64.65 h1 r90; TopOverlay "5" at 2.646,62.65 h1 r90; TopOverlay "4" at 2.646,60.65 h1 r90; TopOverlay "3" at 2.646,58.65 h1 r90; TopOverlay "2" at 2.646,56.65 h1 r90; TopOverlay "1" at 2.646,54.65 h1 r90; TopOverlay "L" at 7.696,52.8 h1 r90; TopOverlay "K" at 9.096,52.8 h1 r90; TopOverlay "J" at 10.496,52.8 h1 r90; TopOverlay "I" at 11.896,53.05 h1 r90; TopOverlay "H" at 13.296,52.8 h1 r90; TopOverlay "G" at 14.696,52.8 h1 r90; TopOverlay "F" at 16.096,52.8 h1 r90; TopOverlay "E" at 17.496,52.8 h1 r90; TopOverlay "D" at 18.896,52.8 h1 r90; TopOverlay "C" at 20.296,51.8 h1 r90; TopOverlay "B" at 21.696,51.8 h1 r90; TopOverlay "A" at 23.096,51.8 h1 r90; Drill Drawing "Diam. 0.5mm +/-0.05" at 23.346,73 h1 r180; Drill Drawing "PRESS-FIT TECHNOLOGY" at 23.346,71.5 h1 r180; Mechanical 14 "7" at 2.646,66.65 h1 r90; Mechanical 14 "8" at 2.646,68.65 h1 r90; Mechanical 14 "6" at 2.646,64.65 h1 r90; Mechanical 14 "5" at 2.646,62.65 h1 r90; Mechanical 14 "4" at 2.646,60.65 h1 r90; Mechanical 14 "3" at 2.646,58.65 h1 r90; Mechanical 14 "2" at 2.646,56.65 h1 r90; Mechanical 14 "1" at 2.646,54.65 h1 r90; Mechanical 14 "L" at 7.696,52.8 h1 r90; Mechanical 14 "K" at 9.096,52.8 h1 r90; Mechanical 14 "J" at 10.496,52.8 h1 r90; Mechanical 14 "I" at 11.896,53.05 h1 r90; Mechanical 14 "H" at 13.296,52.8 h1 r90; Mechanical 14 "G" at 14.696,52.8 h1 r90; Mechanical 14 "F" at 16.096,52.8 h1 r90; Mechanical 14 "E" at 17.496,52.8 h1 r90; Mechanical 14 "D" at 18.896,52.8 h1 r90; Mechanical 14 "C" at 20.296,51.8 h1 r90; Mechanical 14 "B" at 21.696,51.8 h1 r90; Mechanical 14 "A" at 23.096,51.8 h1 r90; Mechanical 8 "Edge of Daugher Card" at 25.446,58.775 h0.5 r90; Mechanical 8 "Top Surface of Mother Board" at 36.946,57.625 h0.5 r90
J8: TopOverlay "30" at 3.937,0.635 h1.02 r270; Mechanical 14 "30" at 3.937,0.635 h1.02 r270
J9: TopOverlay "30" at -14.833,0.634 h1.02 r270; Mechanical 14 "30" at -14.833,0.634 h1.02 r270
J10: TopOverlay "1" at 9.512,50.192 h1.2 r270; Mechanical 14 "1" at 9.512,50.192 h1.2 r270
SW1: TopOverlay "ON" at -63.078,45.491 h1 r90; TopOverlay "2" at -58.633,48.539 h1 r90; TopOverlay "1" at -58.633,46.253 h1 r90; Mechanical 14 "ON" at -63.078,45.491 h1 r90; Mechanical 14 "2" at -58.633,48.539 h1 r90; Mechanical 14 "1" at -58.633,46.253 h1 r90
SW2: TopOverlay "1" at -164.06,-18.117 h1; TopOverlay "2" at -161.774,-18.117 h1; TopOverlay "ON" at -164.822,-13.672 h1; TopOverlay "3" at -159.234,-18.117 h1; TopOverlay "4" at -156.694,-18.117 h1; Mechanical 14 "1" at -164.06,-18.117 h1; Mechanical 14 "2" at -161.774,-18.117 h1; Mechanical 14 "ON" at -164.822,-13.672 h1; Mechanical 14 "3" at -159.234,-18.117 h1; Mechanical 14 "4" at -156.694,-18.117 h1
SW3: TopOverlay "1" at -109.206,-8.597 h1 r90; TopOverlay "2" at -109.206,-6.311 h1 r90; TopOverlay "ON" at -113.651,-9.359 h1 r90; Mechanical 14 "1" at -109.206,-8.597 h1 r90; Mechanical 14 "2" at -109.206,-6.311 h1 r90; Mechanical 14 "ON" at -113.651,-9.359 h1 r90
SW4: TopOverlay "4" at -169.004,-18.067 h1; TopOverlay "3" at -171.544,-18.067 h1; TopOverlay "ON" at -177.132,-13.622 h1; TopOverlay "2" at -174.084,-18.067 h1; TopOverlay "1" at -176.37,-18.067 h1; Mechanical 14 "4" at -169.004,-18.067 h1; Mechanical 14 "3" at -171.544,-18.067 h1; Mechanical 14 "ON" at -177.132,-13.622 h1; Mechanical 14 "2" at -174.084,-18.067 h1; Mechanical 14 "1" at -176.37,-18.067 h1